# Allegro board LAY-27392_C.brd (continued)
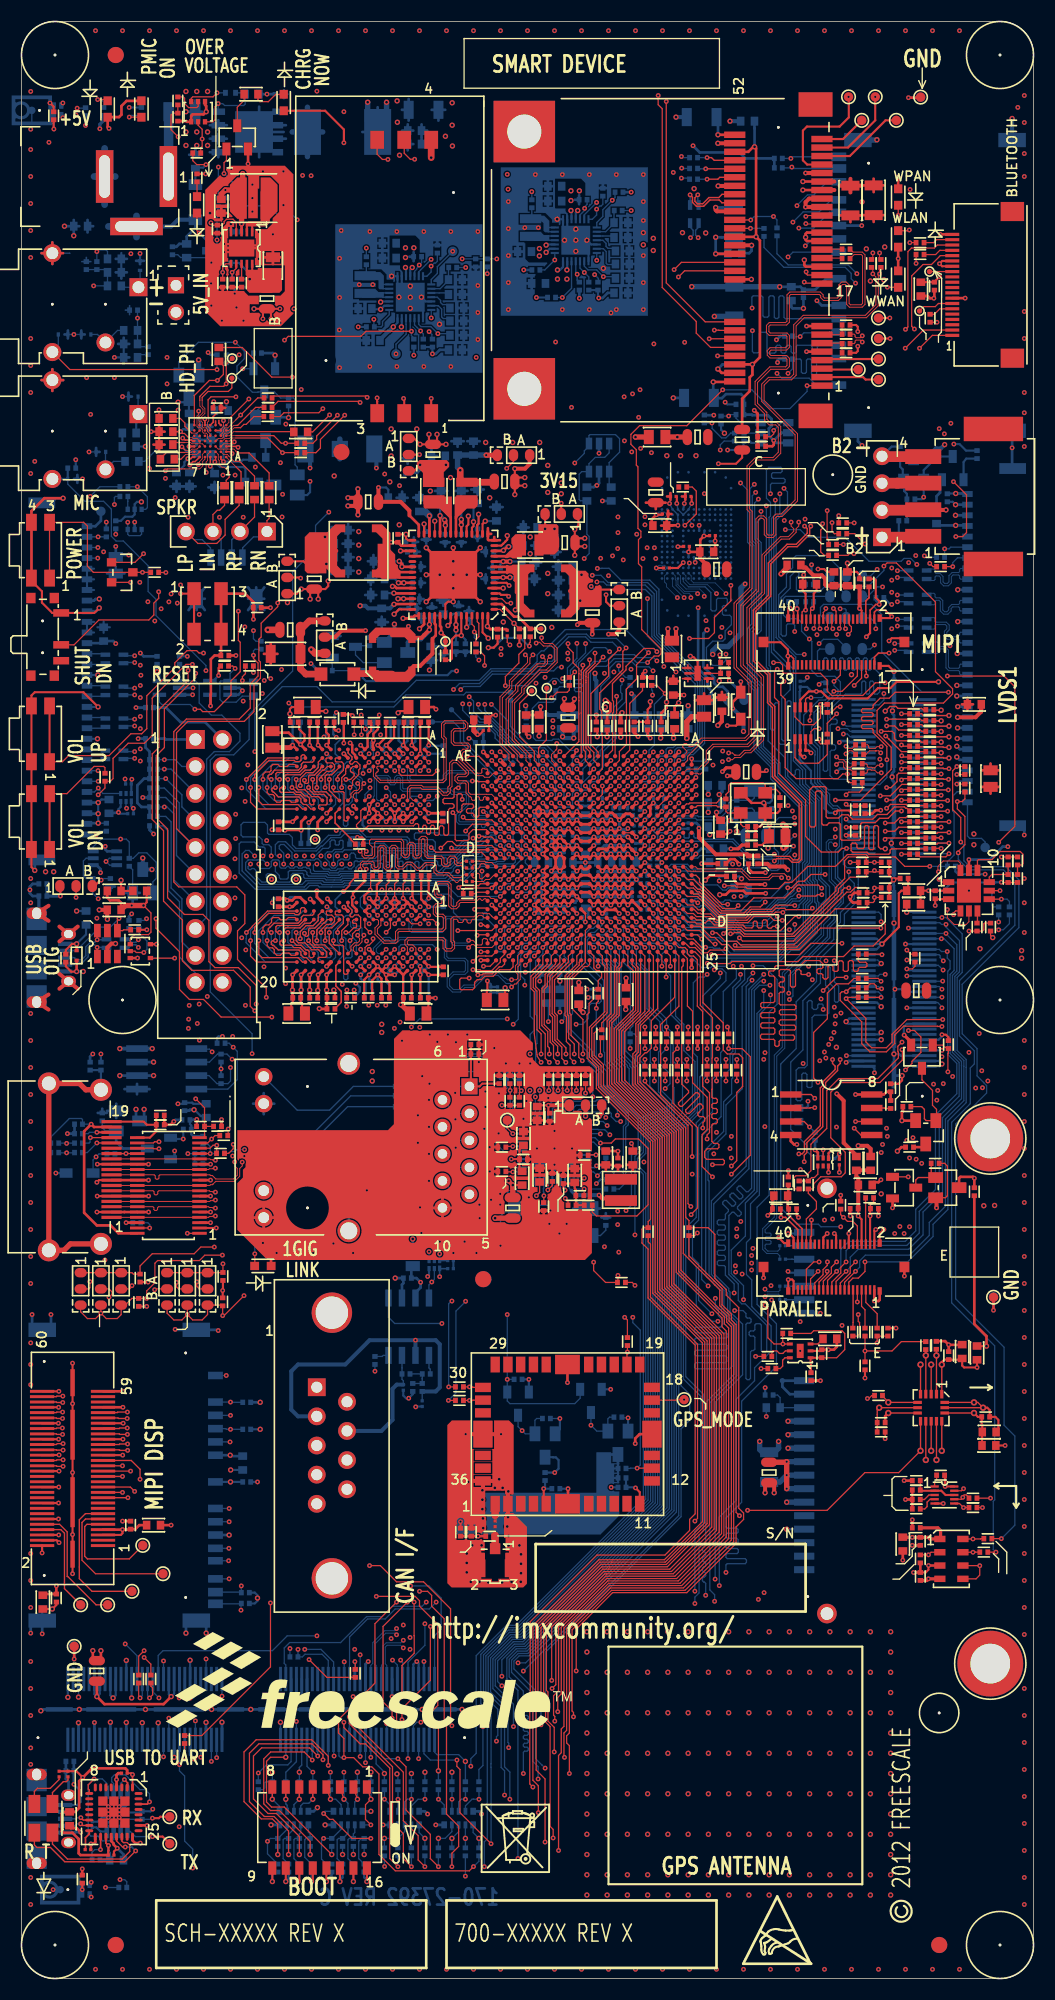
[diagram p0: board, top side]
## Routing (per net, layer and track width the routed paths; a pad name or vN(x,y) marks a point on that pad's centre or on a via; arc(x,y) is an arc through that point) (continued)
PMIC_VCORE: length 2.8
  TOP w0.203: v2(40.14,127.3) 40.14,127.32 40.4,127.57 U8.49
  BOTTOM w0.203: v2(40.14,127.3) 40.39,127.55 40.39,128.15 40.64,128.4 C592.1
PMIC_VCOREREF: length 2
  TOP w0.203: U8.52 v2(41.9,127.14)
  BOTTOM w0.203: C594.1 42.24,127.78 42.24,127.48 v2(41.9,127.14)
PMIC_VDDOTP: length 6.2
  TOP w0.254: R33.2 TP14.1 39.9,126.21 v2(39.5,126.62) 39.5,127.15 39.4,127.25 U8.47
  BOTTOM w0.254: v2(39.5,126.62) 39.75,126.36 39.75,125.39 R591.1 39.7,125.34 C601.1
PMIC_VHALF: length 2.5
  TOP w0.203: U8.29 36.38,135.32 36.2,135.51 v2(36.2,135.88) C24.2
  BOTTOM w0.203: v2(36.2,135.88) 36.2,135.18 C565.1
PMIC_VSNVS: length 42
  TOP w0.254: U8.43 37,128.22 36.89,128.1 36.55,128.1 36.43,127.98 v2(35.92,127.98)
  L6_INT_2 w0.254: v2(35.92,127.98) 36.41,128.47 43.54,128.47 43.56,128.46 44.34,128.46 44.86,127.94 44.86,127.33 45.21,126.97 46.79,126.97 48.5,128.69 51.47,128.69 51.69,128.92 52.98,128.92 53.26,128.63 59.39,128.63 60.1,129.34 63.32,129.34 v1(63.68,128.98)
  BOTTOM w0.203: v2(35.92,127.98) 36.42,127.98 36.43,127.98 C596.1
  BOTTOM w0.254: R598.1 64.95,121.13 64.57,121.51 64.57,122.37 63.68,123.26 v1(63.68,128.98)
POR_B: length 105.1
  TOP w0.119: U8.3 45.21,129.82 45.63,129.41 v1(46.06,129.41) ; v1(20.42,128.65) 20.42,125.91 20.6,125.73 20.6,122.96 19.74,122.1 19.74,120.78 18.16,119.2 17.07,119.2 16.84,119.43 v1(16.33,119.43)
  TOP w0.254: v1(61.87,107.41) U1.C11
  L3_INT_1 w0.114: v1(65.79,126.24) 66.49,126.24 68.87,123.85 68.87,123.71 68.87,123.71 68.87,123.03 71.07,120.83 71.07,120.02 72.19,118.89 72.19,114.33 72.28,114.24 72.28,111.75 72.36,111.67 72.36,111.66 72.65,111.37 72.65,109.96 v1(72.55,109.86)
  L6_INT_2 w0.114: v1(61.87,107.41) 62.53,107.41 62.66,107.54 64.16,107.54 64.55,107.15 65.11,107.15 66.42,108.46 68.83,108.46 69.6,109.22 71.5,109.22 72.14,109.86 v1(72.55,109.86) ; v1(65.79,126.24) 65.28,126.75 65.28,129.51 64.78,130.01 64.78,130.28 64.37,130.69 60.53,130.69 60.21,130.37 58.75,130.37 57.57,129.18 53.62,129.18 52.74,130.06 50.66,130.06 50.14,129.54 47.19,129.54 47.04,129.7 46.35,129.7 v1(46.06,129.41) 45.64,129.41 44.45,130.6 44.45,131.5 43.45,132.49 37.32,132.49 36.61,131.78 32.26,131.78 32.02,131.55 30.58,131.55 29.91,132.21 25.91,132.21 23.98,130.28 23.98,130.27 23.6,129.89 21.66,129.89 v1(20.42,128.65)
  BOTTOM w0.119: U513.4 12.99,120.1 13.22,119.87 15.89,119.87 v1(16.33,119.43)
PWR_BTN_SNS: length 150.6
  TOP w0.119: v1(64.93,96.35) 73.24,96.35 74.3,97.41 v1(77.21,97.41) ; D4.1 10.69,133.25 v1(11.51,134.06)
  TOP w0.178: v1(57.07,100.21) U1.J19
  L6_INT_2 w0.114: v1(11.51,134.06) 12.42,133.15 24.3,133.15 27.71,136.56 34.12,136.56 36.73,139.17 42.62,139.17 43.26,139.8 44.96,139.8 46.34,138.42 50.96,138.42 51.02,138.48 51.79,138.48 53.34,136.93 56.79,136.93 57.79,137.93 59.4,137.93 59.58,138.11 59.9,138.11 60.09,137.92 65.91,137.92 67.51,136.32 v1(71.88,136.32) ; v1(77.21,97.41) 78.61,97.41 80.26,99.06 80.26,99.95 80.9,100.58 80.9,105.03 80.14,105.79 80.14,111.51 78.99,112.65 78.99,120.52 80.43,121.96 80.43,122.23 81.93,123.74 82.77,123.74 83.53,124.5 83.53,129.24 84.25,129.96 v1(84.25,133.05) ; v1(57.07,100.21) 57.48,100.62 58.83,100.62 59.05,100.85 59.05,101.15 59.31,101.4 60.43,101.4 60.65,101.17 60.65,100.85 60.91,100.6 61.23,100.6 61.48,100.35 61.48,100.05 61.73,99.8 62.15,99.8 62.32,99.63 62.74,99.21 62.74,96.77 63.37,96.14 64.72,96.14 v1(64.93,96.35)
  BOTTOM w0.119: v1(71.88,136.32) 73.28,136.32 73.99,135.61 77.5,135.61 79.76,133.35 82.78,133.35 83.04,133.61 83.69,133.61 v1(84.25,133.05)
PWR_LED: length 2.2
  TOP w0.119: D1.A 8.01,176.78 v1(7.19,176.78)
  BOTTOM w0.119: R501.2 7.75,176.56 7.52,176.78 v1(7.19,176.78)
PWRON: length 74.7
  TOP w0.254: v1(17.81,119.74) 17.81,120.78 17.83,120.8 17.83,124.13 18.19,124.49 C597.1 18.8,124.5 SW2.4 SW2.3 21.06,130.3 21.84,129.51 21.84,129 ; 21.84,129 v1(21.84,127.89) ; 21.84,129 R304.2 ; R30.1 45.62,126.96 R31.2 44.53,126.96 44.53,126.96 44.12,126.96 v2(43.85,127.23) 43.9,127.27 U8.56
  L3_INT_1 w0.114: v1(52.07,142.6) 50.75,141.27 50.06,141.27 43.88,135.09 43.88,127.7 43.85,127.67 v2(43.85,127.23)
  L6_INT_2 w0.254: v2(43.85,127.23) 42.51,125.88 41.2,125.88 41.02,126.06 32.21,126.06 30.78,127.48 29.46,127.48 28.5,128.45 26.29,128.45 25.73,127.89 v1(21.84,127.89)
  BOTTOM w0.119: R571.1 55.31,140.52 U509.1 55.31,142.63 56.29,143.61 56.29,144.88 55.91,145.26 53.5,145.26 53.41,145.17 U509.4 53.41,144.17 52.97,143.73 52.97,143.49 v1(52.07,142.6)
  BOTTOM w0.254: v1(17.81,119.74) 17.81,120.73 U507.4
RAW_3V3: length 1.5
  BOTTOM w0.203: Q509.3 23.77,140.57 23.57,140.77 22.42,140.77 L510.1
RAW_4V2: length 1.6
  BOTTOM w0.203: Q506.3 22.99,143.14 L508.1
RGMII_INT: length 39.1
  TOP w0.119: R163.2 51.44,73.15 v1(51.18,73.41) ; v1(48.27,97.81) 48.67,98.21 U1.W22
  L3_INT_1 w0.114: v1(51.18,73.41) 50.67,72.9 49.4,72.9 48.89,72.39 43.94,72.39 43.56,72.77 43.56,78.38 44.15,78.97 44.15,83.9 43.59,84.45 43.59,89.05 47.88,93.34 47.88,94.87 48.67,95.66 48.67,97.41 v1(48.27,97.81)
  BOTTOM w0.127: U516.5 50.75,75.05 50.75,73.84 v1(51.18,73.41)
RGMII_LED_10_100: length 19.6
  BOTTOM w0.119: 48.26,83.06 v1(48.37,82.95) U516.26
  BOTTOM w0.127: R640.1 36.53,83.95 36.78,84.2 36.78,85.72 38.05,86.99 45.97,86.99 46.35,86.61 46.91,86.61 47.37,86.16 47.37,84.71 47.62,84.46 C741.1 48.26,84.21 48.26,83.06
RGMII_LED_1000: length 22.3
  TOP w0.119: 46.86,83.36 v1(47.04,83.54) 46.86,83.72
  TOP w0.127: 46.86,83.36 R148.2 ; R141.1 46.86,83.72
  BOTTOM w0.119: v1(47.04,83.54) 46.86,83.72
  BOTTOM w0.127: U516.24 46.44,80.3 46.25,80.5 46.25,82.53 46.86,83.15 46.86,83.41 46.99,83.54 v1(47.04,83.54) ; 46.86,83.72 C740.1 46.86,84.58 46.35,84.58 46.23,84.71 46.23,86.36 45.85,86.74 38.44,86.74 37.19,85.48 37.19,83.67 36.58,83.06 R641.1
RGMII_LED_ACT: length 18.9
  TOP w0.127: R140.1 45.99,84.19 v1(45.99,83.57) 45.99,82.94 R147.2
  BOTTOM w0.119: v1(45.99,83.57) 45.63,83.93 C739.1
  BOTTOM w0.127: R642.1 36.4,82.04 37.57,83.21 37.57,83.95 38.96,85.34 44.32,85.34 45.03,84.63 C739.1 ; v1(45.99,83.57) 45.99,80.29 46.37,79.9 U516.23
RGMII_MDC: length 40.5
  TOP w0.119: U1.V20 v1(49.07,99.41)
  L6_INT_2 w0.114: v1(56.9,72.26) 55.94,73.22 55.94,74.36 54.35,75.95 53.6,75.95 52.96,75.31 v1(52.96,75.31)
  BOTTOM w0.119: v1(49.07,99.41) 49.46,99.02 51.61,99.02 51.86,98.77 51.86,90.79 51.62,90.55 51.62,89.37 53.75,87.23 53.75,86.23 54.79,85.2 54.79,84.13 55.09,83.83 58.04,80.88 58.04,78.11 57.4,77.47 57.4,72.77 v1(56.9,72.26)
  BOTTOM w0.127: v1(52.96,75.31) 52.72,75.07 U516.1
RGMII_MDIO: length 33.4
  TOP w0.178: U1.V23 v1(49.07,97.01)
  BOTTOM w0.119: v1(49.07,97.01) 49.07,96.44 48.39,95.76 48.39,90.73 48.51,90.6 48.51,87.99 48.39,87.86 48.39,85.98 48.64,85.72 53.59,85.72 54.2,85.12 54.2,84.09 56.89,81.41 56.89,80.44 56.64,80.19 56.64,75.69 56.13,75.18 R657.2 55.75,75.81 55.61,75.95 54.61,75.95 v1(54.2,75.54) 53.84,75.9 U516.48
RGMII_NRST: length 29.2
  TOP w0.178: U1.U21 v1(49.87,98.61)
  BOTTOM w0.119: v1(49.87,98.61) 50.12,98.61 50.51,98.22 50.81,98.22 51.08,97.95 51.08,96.19 51.54,95.73 51.54,90.78 51.36,90.6 51.36,89.1 53.35,87.11 53.35,86.32 54.46,85.22 54.46,84.15 57.11,81.5 57.11,80.35 56.86,80.1 56.86,74.9 56.26,74.3 R659.1
RGMII_RXCLK: length 43.7
  TOP w0.119: U1.B25 62.27,95.29 62.14,95.16 62.14,84.17 62.78,83.53 62.78,83.36 61.83,82.41 61.83,82.24 62,82.07 62.17,82.07 63.45,83.36 63.63,83.36 63.79,83.2 63.79,83.02 62.5,81.73 62.5,81.56 62.67,81.39 62.84,81.39 63.75,82.3 63.93,82.3 64.13,82.09 64.13,81.91 63.65,81.43 63.65,81.25 63.8,81.1 64.17,81.1 64.3,80.98 64.3,80.7 64.14,80.54 64.14,80.05 v1(64.11,80.03)
  L6_INT_2 w0.114: v1(53.76,82.97) 53.35,82.97 53.19,82.81 53.19,82.38 53.38,82.19 53.7,82.19 54.03,81.86 54.7,81.86 54.82,81.98 54.82,82.14 54.93,82.26 55.16,82.26 55.27,82.14 55.27,81.98 55.39,81.86 55.62,81.86 55.73,81.98 55.73,82.14 55.84,82.26 56.07,82.26 56.19,82.14 56.19,81.98 56.3,81.86 56.8,81.86 58.56,80.1 59.43,80.1 59.87,79.65 60.25,79.65 60.4,79.81 60.4,80.04 60.5,80.14 60.76,80.14 60.88,80.01 60.88,79.76 60.99,79.65 61.19,79.65 61.3,79.77 61.3,80.19 61.41,80.3 61.64,80.3 61.76,80.19 61.76,79.77 61.87,79.65 62.1,79.65 62.21,79.77 62.21,80.14 62.34,80.26 62.54,80.26 62.67,80.14 62.67,79.77 62.79,79.65 63.01,79.65 63.13,79.77 63.13,79.91 63.25,80.03 v1(64.11,80.03)
  BOTTOM w0.119: v1(53.76,82.97) 53.76,84.83 53.64,84.96 R634.1
RGMII_RXD0: length 49
  TOP w0.119: U1.C24 61.87,96.21 61.87,91.49 60.15,89.77 60.15,83.17 63.12,80.2 v1(63.12,77.34)
  TOP w0.127: R144.1 v1(51.36,83.57)
  L6_INT_2 w0.114: v1(51.36,83.57) 51.38,83.54 51.68,83.54 51.79,83.43 51.79,82.58 51.66,82.45 51.31,82.45 51.16,82.6 51.16,82.98 51.08,83.06 50.85,83.06 50.77,82.98 50.77,81.97 53.09,79.65 53.21,79.65 53.32,79.76 53.32,79.91 51.99,81.24 51.99,81.44 52.12,81.57 53.26,81.57 53.52,81.31 53.52,80.39 54.05,79.86 54.64,79.86 54.73,79.78 55.53,79.78 56.03,79.28 56.03,79.04 57.19,77.89 58.92,77.89 58.93,77.88 58.93,77.87 59.46,77.34 v1(63.12,77.34)
  BOTTOM w0.119: R636.2 51.36,84.13 v1(51.36,83.57) 51.05,83.57 50.54,83.06 50.54,81.91 50.37,81.73 U516.31
RGMII_RXD1: length 49.3
  TOP w0.119: v1(66.8,76.45) 67.31,76.96 67.31,83.39 67.87,83.95 67.87,86.64 67.51,86.99 66.42,86.99 66.04,87.38 66.04,89.92 64.14,91.82 64.14,96.27 63.39,97.01 62.88,97.01 62.48,97.41 U1.B23
  TOP w0.127: R143.1 v1(50.5,83.57)
  L6_INT_2 w0.114: v1(66.8,76.45) 66.22,76.45 65.94,76.17 64.57,76.17 64.41,76.33 56.13,76.33 53.24,79.22 52.96,79.22 50.5,81.69 v1(50.5,83.57)
  BOTTOM w0.119: U516.30 49.97,81.84 50.29,82.17 50.29,83.36 v1(50.5,83.57) 50.55,83.62 R638.2
RGMII_RXD2: length 48.4
  TOP w0.119: v1(65.02,75.44) 64.06,76.4 64.06,79.43 64.52,79.89 64.52,82.92 63.15,84.29 63.15,91.02 62.67,91.51 62.67,95.88 62.67,95.98 62.27,96.38 U1.B24
  TOP w0.127: R142.1 v1(49.63,83.57)
  L6_INT_2 w0.114: v1(65.02,75.44) 65.02,74.3 64.9,74.17 63.68,74.17 63.55,74.3 63.55,75.81 63.28,76.08 55.72,76.08 54.45,77.35 54.45,77.67 54.23,77.89 53.73,77.89 49.98,81.64 49.98,83.22 v1(49.63,83.57)
  BOTTOM w0.127: v1(49.63,83.57) 49.17,83.1 U516.28
RGMII_RXD3: length 49
  TOP w0.178: U1.D23 v1(61.07,97.01)
  L3_INT_1 w0.114: v1(61.07,97.01) 61.65,96.43 61.65,94.04 63.17,92.51 64.12,92.51 66.82,89.81 66.82,88.14 67.92,87.04 67.92,84.23 64.68,80.99 64.68,79.84 64.12,79.28 64.12,77.88 63.87,77.63 63.87,76.45 v1(63.12,75.69)
  L6_INT_2 w0.114: v1(48.77,83.57) 48.77,82.22 54.08,76.91 54.24,76.91 55.46,75.69 v1(63.12,75.69)
  BOTTOM w0.119: v1(48.77,83.57) 48.77,84.44 R631.1
  BOTTOM w0.127: U516.27 48.77,82.77 48.77,82.77 v1(48.77,83.57)
RGMII_RXDV: length 43.8
  TOP w0.127: R145.1 v1(52.22,83.57)
  TOP w0.178: U1.D22 v1(61.07,97.81)
  L3_INT_1 w0.114: v1(65.41,79.63) 65.41,81.07 68.35,84.02 68.35,87.22 67.25,88.32 67.25,89.99 64.3,92.94 63.35,92.94 62.08,94.22 62.08,97.02 61.29,97.81 v1(61.07,97.81)
  L6_INT_2 w0.114: v1(65.41,79.63) 65.23,79.63 64.99,79.39 64.15,79.39 64.1,79.44 59.78,79.44 59.34,79.88 58.47,79.88 56.74,81.62 55.92,81.62 55.84,81.53 53.8,81.53 53.52,81.81 52.35,81.81 52.22,81.94 v1(52.22,83.57)
  BOTTOM w0.119: U516.32 50.77,82.77 51.17,83.18 51.83,83.18 v1(52.22,83.57)
RGMII_TRXN0: length 10.6
  BOTTOM w0.094: U516.12 47.97,74.43 48.05,74.34 48.05,74.25 47.96,74.16 45.87,74.16 44.53,75.49 42.93,75.49 42.6,75.16 41.38,75.16 40.7,74.49 40.6,74.38 40.3,74.38 J7.9
RGMII_TRXN1: length 10.6
  BOTTOM w0.094: U516.15 46.49,76.7 46.4,76.62 45.25,76.62 45.16,76.71 45.16,77.05 44.91,77.29 44.57,77.29 44.33,77.05 44.33,76.71 44.23,76.62 43.83,76.62 43.64,76.81 43.64,77.06 43.83,77.26 43.83,77.63 43.41,78.04 43.04,78.04 42.7,77.7 42.6,77.7 41.38,77.7 40.56,76.89 40.34,76.89 J7.8
RGMII_TRXN2: length 10.6
  BOTTOM w0.094: J7.7 39.74,80.08 40.34,79.48 40.61,79.48 41.38,80.24 42.78,80.24 43.29,80.75 43.78,80.75 44.4,80.13 44.4,79.71 44.03,79.34 44.03,79.21 45.41,77.82 46.4,77.82 46.49,77.9 U516.18
RGMII_TRXN3: length 10.6
  BOTTOM w0.094: U516.21 46.49,79.1 46.4,79.02 46.15,79.02 45.63,79.54 45.63,81.03 43.88,82.78 43.1,82.78 41.38,82.78 40.56,81.97 40.34,81.97 J7.6
RGMII_TRXP0: length 10.6
  BOTTOM w0.094: J7.5 41.76,73.79 41.5,74.04 41.33,74.04 41.12,74.24 41.12,74.58 41.47,74.93 42.69,74.93 43.02,75.26 44.44,75.26 45.77,73.93 48.05,73.93 48.28,74.16 48.28,74.34 48.37,74.43 U516.11
RGMII_TRXP1: length 10.6
  BOTTOM w0.094: J7.4 41.12,76.33 40.94,76.5 40.94,76.94 41.47,77.47 42.51,77.47 42.51,77.47 42.79,77.47 43.14,77.82 43.32,77.82 43.6,77.53 43.6,77.35 43.41,77.16 43.41,76.71 43.54,76.58 43.73,76.39 44.33,76.39 44.55,76.62 44.55,76.95 44.66,77.06 44.82,77.06 44.93,76.95 44.93,76.62 45.16,76.39 46.4,76.39 46.49,76.3 U516.14
RGMII_TRXP2: length 10.6
  BOTTOM w0.094: J7.3 41.22,78.87 40.94,79.15 40.94,79.48 41.47,80.01 42.88,80.01 43.38,80.52 43.69,80.52 44.17,80.04 44.17,79.81 43.8,79.44 43.8,79.11 45.32,77.59 46.4,77.59 46.49,77.5 U516.17
RGMII_TRXP3: length 10.6
  BOTTOM w0.094: J7.2 41.17,81.41 40.89,81.69 40.89,81.97 41.47,82.55 43.2,82.55 43.79,82.55 45.4,80.94 45.4,79.44 46.05,78.79 46.4,78.79 46.49,78.7 U516.20
RGMII_TXCLK: length 43.7
  TOP w0.178: U1.D21 v1(61.07,98.61)
  L3_INT_1 w0.114: v1(61.07,98.61) 61.45,99 62.03,99 62.73,98.3 62.73,96.01 63.45,95.28 63.45,94.41 63.89,93.97 64.72,93.97 68.19,90.5 68.19,88.72 69.33,87.58 69.33,83.68 66.94,81.29 66.94,79.82 66.81,79.69 66.81,79.67 66.8,79.66 v1(66.8,79.25)
  L6_INT_2 w0.114: v1(66.8,79.25) 66.04,78.49 64.04,78.49 63.8,78.73 59.49,78.73 59.36,78.85 58.38,78.85 57.77,79.46 57.57,79.46 v1(56.39,80.64)
  BOTTOM w0.119: v1(56.39,80.64) 55.96,80.64 55.51,81.1 55.51,81.4 54.74,82.17 52.2,82.17 51.97,81.94 U516.35
RGMII_TXD0: length 43.4
  TOP w0.178: v1(61.87,97.81) U1.C22
  L3_INT_1 w0.114: v1(61.87,97.81) 62.3,97.38 62.3,94.31 63.44,93.16 64.45,93.16 67.46,90.14 67.46,88.41 68.57,87.31 68.57,83.93 65.91,81.27 65.91,78.84 66.17,78.59 66.17,78.05 65.93,77.81 65.93,77.63 66.21,77.35 66.39,77.35 66.67,77.64 v1(66.67,78.11)
  L6_INT_2 w0.114: v1(54.99,81.03) 57.05,78.96 57.56,78.96 58.17,78.36 59.16,78.36 59.28,78.23 63.6,78.23 63.84,77.99 66.25,77.99 66.36,78.11 v1(66.67,78.11)
  BOTTOM w0.119: v1(54.99,81.03) 54.99,81.15 54.61,81.53 53.34,81.53 53.09,81.79 52.49,81.79 52.37,81.66 U516.36
RGMII_TXD1: length 43.5
  TOP w0.178: v1(59.47,99.41) U1.F20
  L3_INT_1 w0.114: v1(65.15,77.6) 65.57,77.6 65.7,77.73 65.7,78.93 65.58,79.04 65.42,79.04 65.3,78.93 65.3,78.73 65.19,78.61 65.02,78.61 64.91,78.73 64.91,80.87 68.14,84.11 68.14,87.13 67.03,88.23 67.03,89.9 64.21,92.73 63.26,92.73 61.86,94.13 61.86,96.76 61.23,97.4 60.93,97.4 60.68,97.65 60.68,97.95 60.43,98.2 60.13,98.2 59.88,98.45 59.88,99 v1(59.47,99.41)
  L6_INT_2 w0.114: v1(55.12,80.26) 55.39,80 55.62,80 56.72,78.9 56.72,78.69 57.3,78.11 59.11,78.11 59.35,77.86 63.62,77.86 63.87,77.6 v1(65.15,77.6)
  BOTTOM w0.119: v1(55.12,80.26) 54.74,80.64 54.19,80.64 53.85,80.3 U516.37
RGMII_TXD2: length 43.6
  TOP w0.178: U1.E21 v1(60.27,98.61)
  L3_INT_1 w0.114: v1(60.27,98.61) 60.52,98.61 60.91,98.22 62.05,98.22 62.51,97.76 62.51,94.4 63.44,93.47 64.52,93.47 67.69,90.3 67.69,88.52 68.83,87.38 68.83,83.89 66.74,81.79 66.45,81.5 66.45,80.02 66.32,79.89 66.32,79.88 66.31,79.87 66.31,79.04 66.6,78.75 66.69,78.75 67.18,78.26 67.18,77.6 v1(66.8,77.22)
  L6_INT_2 w0.114: v1(66.8,77.22) 66.67,77.09 64.14,77.09 63.88,76.83 59.66,76.83 58.83,77.67 57.09,77.67 v1(55.37,79.39)
  BOTTOM w0.119: U516.38 54.26,79.9 54.29,79.87 54.9,79.87 v1(55.37,79.39)
RGMII_TXD3: length 43.5
  TOP w0.119: v1(65.02,76.57) 66.01,76.57 66.14,76.7 66.14,76.96 66.01,77.09 64.47,77.09 64.29,77.27 64.29,77.83 64.54,78.08 65.51,78.08 65.63,78.21 65.63,78.46 65.51,78.59 65.15,78.59 64.97,78.77 64.97,80.32 65.09,80.44 65.36,80.44 65.48,80.56 65.48,80.8 65.36,80.92 65.09,80.92 64.97,81.03 64.97,81.27 65.09,81.39 65.36,81.39 65.48,81.51 65.48,81.75 65.36,81.87 65.09,81.87 64.97,81.99 64.97,82.23 65.09,82.35 65.36,82.35 65.48,82.47 65.48,82.71 65.36,82.83 65.09,82.83 64.97,82.94 64.97,83.66 64.99,83.68 64.99,86.62 65.02,86.66 65.02,90.42 63.88,91.57 63.88,96.1 63.37,96.61 U1.A24
  L6_INT_2 w0.114: v1(54.48,79.48) 54.69,79.48 55.59,78.57 55.59,77.55 56.58,76.56 57.07,76.56 57.18,76.66 57.18,77.22 57.33,77.37 57.53,77.37 57.66,77.24 57.66,76.68 57.78,76.56 58.04,76.56 58.14,76.66 58.14,77.14 58.29,77.29 58.72,77.29 59.44,76.58 64.6,76.58 64.61,76.57 v1(65.02,76.57)
  BOTTOM w0.119: U516.39 54.45,79.5 v1(54.48,79.48)
RGMII_TXEN: length 36.4
  TOP w0.119: v1(64.52,79) 64.52,79.01 64.52,79.38 64.75,79.6 64.75,83.34 64.1,83.98 64.1,91 63.6,91.5 63.6,95.86 63.25,96.21 62.9,96.21 62.67,96.44 62.67,96.78 62.43,97.01 61.87,97.01 U1.C23
  L6_INT_2 w0.114: v1(64.52,79) 64.52,79 64.23,79 64.01,79.22 59.7,79.22 59.25,79.67 58.38,79.67 56.82,81.23 v1(56.08,81.23)
  BOTTOM w0.119: U516.34 51.57,82.17 51.94,82.55 54.03,82.55 54.16,82.68 55.12,82.68 56.08,81.72 v1(56.08,81.23)
RJ45_LED_10_100: length 14.6
  BOTTOM w0.127: R640.2 31.24,83.95 29.01,81.71 25.96,81.71 J7.11
RJ45_LED_ACT: length 15.6
  BOTTOM w0.127: J7.13 30.71,82.04 R642.2
RTC_XTALI: length 12.2
  TOP w0.178: v1(61.07,109.01) U1.D9
  BOTTOM w0.119: C624.1 69.23,112.01 QZ500.1 ; R610.1 66.8,110.86 66.55,110.61 66.55,109.98 65.88,109.31 63.71,109.31 63.63,109.4 61.46,109.4 v1(61.07,109.01)
  BOTTOM w0.127: QZ500.1 68.96,111.08 68.75,110.86 R610.1
RTC_XTALO: length 10.7
  TOP w0.178: v1(61.87,109.01) U1.C9
  BOTTOM w0.119: QZ500.2 69.98,109.24 70.09,109.35 C639.1 ; R610.2 67.19,110.12 66.08,109.01 63.58,109.01 63.41,109.18 62.04,109.18 v1(61.87,109.01)
  BOTTOM w0.127: QZ500.2 68.96,109.9 68.75,110.12 R610.2
RXD232: length 2.2
  TOP w0.152: U22.2 10.01,18.04 10.01,18.42 v1(9.7,18.73)
  BOTTOM w0.127: v1(9.7,18.73) 9.34,18.37 U519.3
RXLED: length 14.3
  TOP w0.127: D12.2 1.23,12.59 1.48,12.35 2.75,12.35 4.09,11 9.74,11 v1(10.76,12.02) ; U22.21 8.96,12.96 9.53,12.39 v1(9.79,12.39)
  BOTTOM w0.171: v1(10.76,12.02) 10.4,12.39 v1(9.79,12.39)
SATA_5V_CON: length 11.1
  TOP w0.508: v1(72.01,46.1) v1(72.01,47.37) v1(72.01,48.64) 71.96,48.59 SH25.2
  BOTTOM w0.508: C762.1 70.36,46.74 71.37,46.74 v1(72.01,47.37) J506.P8 ; J506.P9 v1(72.01,46.1) ; J506.P7 v1(72.01,48.64)
SATA_DEVSLP: length 73.6
  L6_INT_2 w0.114: v1(25.28,31.06) 25.66,31.45 34.8,31.45 35.81,30.43 37.01,30.43 38.23,31.65 66.45,31.65 70.33,35.53 70.33,36.6 66.52,40.41 65.18,40.41 62.86,42.72 62.86,45.67 v1(70.09,52.89)
  BOTTOM w0.119: R676.2 v1(25.28,31.06) ; SH505.1 v1(70.09,52.89)
SATA_DS: length 4
  BOTTOM w0.119: J506.P3 SH505.2 71.39,54.67 71.15,54.91 R666.2
SATA_RET: length 5
  BOTTOM w0.254: J506.P1 TP507.1 71.6,55.69 72.3,54.99 J506.P2
SATA_REXT: length 6.6
  TOP w0.178: v1(61.87,104.21) U1.C14
  BOTTOM w0.119: v1(61.87,104.21) 62.54,104.21 63.86,102.9 65.51,102.9 65.99,102.41 66.31,102.41 66.52,102.63 67.05,102.63 R619.1
SATA_RXN: length 59.7
  TOP w0.094: v1(72.17,103.55) 71.97,103.75 71.97,103.76 71.88,103.86 71.77,103.96 70.61,103.96 70.26,103.61 68.58,103.61 67.76,104.42 67.35,104.42 67.34,104.43 65.26,104.43 65.25,104.42 63.63,104.42 63.44,104.61 U1.A14
  L3_INT_1 w0.097: v1(69.97,64.87) 69.73,64.63 69.26,64.63 69.16,64.73 69.16,65.08 69.26,65.18 69.43,65.18 69.54,65.29 69.54,65.45 69.45,65.53 69.26,65.53 69.16,65.63 69.16,65.92 70.33,67.09 70.33,70.77 71.04,71.48 71.04,72.62 70.81,72.85 70.4,72.85 70.31,72.95 70.31,73.1 70.4,73.2 70.81,73.2 71.04,73.43 71.04,73.78 70.81,74.01 70.4,74.01 70.31,74.1 70.31,74.26 70.4,74.36 70.81,74.36 71.04,74.59 71.04,74.94 70.81,75.17 70.4,75.17 70.31,75.26 70.31,75.42 70.4,75.52 70.81,75.52 71.04,75.75 71.04,79.28 72.24,80.48 72.24,82.23 72.37,82.36 72.37,83.86 72.37,84.18 73.18,84.99 73.18,88.95 71.75,90.37 71.75,95.12 71.22,95.66 71.22,95.79 71.33,95.91 71.33,96.23 71.09,96.48 70.76,96.48 70.65,96.36 70.51,96.36 70.08,96.8 70.08,99.31 70.38,99.62 70.38,100.4 71.25,101.27 71.25,102.36 71.92,103.04 71.92,103.04 71.98,103.11 71.98,103.36 v1(72.17,103.55)
  BOTTOM w0.094: C756.1 71.37,65.14 71.37,64.77 71.23,64.63 70.21,64.63 v1(69.97,64.87)
SATA_RXN_CON: length 1.8
  BOTTOM w0.127: J506.S5 73.65,65.15 C756.2
SATA_RXP: length 59.8
  TOP w0.094: U1.B14 62.68,104.2 63.25,104.2 63.25,104.2 63.42,104.2 63.43,104.19 65.35,104.19 65.35,104.2 67.25,104.2 67.25,104.19 67.67,104.19 68.48,103.38 70.35,103.38 70.69,103.72 71.39,103.72 71.41,103.69 v1(71.53,103.58)
  L3_INT_1 w0.097: v1(69.97,64.16) 69.73,64.4 69.16,64.4 68.93,64.63 68.93,66.01 70.1,67.18 70.1,70.87 70.81,71.57 70.81,72.52 70.72,72.62 70.31,72.62 70.08,72.85 70.08,73.2 70.31,73.43 70.72,73.43 70.81,73.52 70.81,73.68 70.72,73.78 70.31,73.78 70.08,74.01 70.08,74.36 70.31,74.59 70.72,74.59 70.81,74.68 70.81,74.84 70.72,74.94 70.31,74.94 70.08,75.17 70.08,75.51 70.31,75.74 70.72,75.74 70.81,75.84 70.81,79.38 72.01,80.57 72.01,82.32 72.14,82.45 72.14,83.77 72.14,84.28 72.95,85.09 72.95,88.85 71.53,90.27 71.53,95.03 70.99,95.56 70.99,95.89 71.1,96 71.1,96.14 70.99,96.25 70.86,96.25 70.74,96.14 70.42,96.14 69.85,96.7 69.85,99.41 70.15,99.71 70.15,100.5 71.02,101.37 71.02,102.46 71.75,103.2 71.75,103.35 v1(71.53,103.58)
  BOTTOM w0.094: v1(69.97,64.16) 70.21,64.4 71.23,64.4 71.36,64.27 C757.1
SATA_RXP_CON: length 1.8
  BOTTOM w0.127: C757.2 73.65,63.88 J506.S6
SATA_TXN: length 59.9
  TOP w0.094: v1(62.67,106.61) U1.B12
  L6_INT_2 w0.097: v1(62.67,106.61) 62.93,106.61 63.31,106.99 63.77,106.99 64.23,106.53 65.51,106.53 65.79,106.81 66.42,106.81 66.77,107.16 75.84,107.16 76.08,107.41 v1(76.58,107.41)
  BOTTOM w0.094: v1(76.58,107.41) 76.34,107.16 75.98,107.16 75.73,106.91 75.73,106.19 76,105.92 76,103.3 76.4,102.9 76.53,102.77 76.53,101.55 75.88,100.9 75.88,99.88 75.25,99.26 75.25,98.27 71.6,94.61 71.6,87.64 70.84,86.88 70.84,71.65 69.75,70.56 69.75,68.61 70.14,68.22 71.15,68.22 71.36,68.01 C752.1
SATA_TXN_CON: length 1.8
  BOTTOM w0.127: J506.S3 72.51,67.69 72.51,67.69 C752.2
SATA_TXP: length 59.9
  TOP w0.094: v1(63.47,106.61) U1.A12
  L6_INT_2 w0.097: v1(63.47,106.61) 63.82,106.61 64.14,106.3 65.6,106.3 65.88,106.58 66.51,106.58 66.87,106.93 75.84,106.93 76.08,106.69 v1(76.58,106.69)
  BOTTOM w0.094: C751.1 71.36,68.64 71.17,68.45 70.23,68.45 69.98,68.71 69.98,69.01 70.07,69.11 70.44,69.11 70.54,69.2 70.54,69.36 70.44,69.46 70.07,69.46 69.98,69.55 69.98,69.71 70.07,69.8 70.44,69.8 70.54,69.9 70.54,70.06 70.44,70.15 70.07,70.15 69.98,70.25 69.98,70.47 71.07,71.56 71.07,86.79 71.83,87.55 71.83,94.52 75.48,98.17 75.48,99.16 76.11,99.79 76.11,100.81 76.75,101.45 76.75,102.87 76.56,103.06 76.23,103.39 76.23,106.02 75.96,106.29 75.96,106.82 76.07,106.93 76.21,106.93 76.45,106.69 v1(76.58,106.69)
SATA_TXP_CON: length 1.8
  BOTTOM w0.127: C751.2 73.65,68.96 J506.S2
SATA_VP: length 3.7
  TOP w0.254: R96.2 v1(64.01,104.9) ; U1.G13 v1(58.67,105.81)
  BOTTOM w0.254: v1(58.67,105.81) 59.19,105.28 C678.1
  BOTTOM w0.305: v1(64.01,104.9) 64.14,105.03 C681.1
SATA_VPH: length 4
  TOP w0.178: v1(58.67,106.61) U1.G12
  TOP w0.305: v1(66.77,106.3) 67.44,106.3 67.79,106.65 R87.2
  BOTTOM w0.254: C668.1 58.46,106.82 v1(58.67,106.61)
  BOTTOM w0.305: C673.1 v1(66.77,106.3)
SD2_3V3: length 60.8
  TOP w0.508: R17.2 v2(61.72,145.03) SH3.2
  L3_INT_1 w0.508: v2(71.35,159.17) 71.04,158.87 v1(71.04,154.18) ; v2(61.72,145.03) 63.08,146.39 v2(63.08,159.18) 63.08,160.92 61.58,162.42 61.58,167.7 63.2,169.32 v1(63.2,172.44)
  BOTTOM w0.254: R544.1 71.4,154.53 v1(71.04,154.18) ; v1(63.2,172.44) 63.83,171.81 67.56,171.81 68.12,171.25 R502.1 R503.1 ; v2(71.35,159.17) C525.1 73.31,159.17 C524.1 74.7,158.9 75.73,159.93 J500.4
  BOTTOM w0.508: v2(71.35,159.17) 67.09,159.17 C769.1 63.08,159.18 v2(63.08,159.18)
SD2_CD_B: length 101.1
  TOP w0.178: v1(59.47,102.61) U1.F16
  L3_INT_1 w0.114: v1(69.34,139.19) 69.6,139.45 69.6,140.97 68.22,142.34 68.22,153.47 69.34,154.58 69.34,162.51 69.98,163.14 69.98,167.92 v1(72.49,170.43)
  BOTTOM w0.119: v1(69.34,139.19) 68.99,138.84 68.99,135.41 69.39,135.01 69.39,126.94 68.99,126.55 68.99,122.14 69.6,121.54 69.6,115.84 71.16,114.28 71.16,113.17 73.93,110.39 73.93,105.05 73.72,104.84 73.72,103.19 73.98,102.93 73.98,101.51 73.57,101.09 73.57,98.97 72.66,98.06 67.96,98.06 67.72,98.31 67.3,98.31 66.82,98.79 64.21,98.79 64.09,98.9 62.13,98.9 62.03,99 61.71,99 61.46,99.25 61.46,99.57 61.23,99.8 60.11,99.8 59.88,100.03 59.88,100.97 59.86,100.99 59.86,101.17 59.63,101.4 59.26,101.4 59.08,101.58 59.08,102.22 v1(59.47,102.61)
  BOTTOM w0.127: J500.14 72.62,170.3 v1(72.49,170.43) 72.42,170.36 R503.2
SD2_CLK: length 94
  TOP w0.178: U1.C21 v1(61.87,98.61)
  L3_INT_1 w0.114: v1(69.6,138.05) 69.6,138.81 69.85,139.06 69.85,141.22 68.53,142.54 68.53,151.05 68.68,151.21 68.83,151.21 69.29,151.66 69.29,152.07 68.91,152.45 68.91,153.64 69.65,154.38 69.65,162.08 70.76,163.2 70.76,165.07 70.89,165.2 71.15,165.2 71.27,165.07 71.27,162.84 v1(72.14,161.98)
  BOTTOM w0.119: v1(72.14,161.98) 72.59,162.43 J500.5 ; v1(61.87,98.61) 62.23,98.61 62.3,98.68 64,98.68 64.74,97.95 65.63,97.95 65.97,97.61 67.32,97.61 67.81,97.11 71.21,97.11 71.93,97.84 72.75,97.84 73.79,98.87 73.79,101 74.2,101.42 74.2,103.02 73.94,103.28 73.94,104.75 74.16,104.96 74.16,110.48 71.38,113.26 71.38,114.37 69.82,115.93 69.82,121.63 69.21,122.24 69.21,126.43 69.61,126.83 69.61,135.1 69.21,135.5 69.21,137.03 69.6,137.41 v1(69.6,138.05)
SD2_CMD: length 84.9
  TOP w0.178: v1(59.47,100.21) U1.F19
  L3_INT_1 w0.114: v1(73.28,154.48) 73.28,154.07 73.28,154.07 73.28,147.24 71.88,145.84 71.88,140.33 v1(71.75,140.21)
  BOTTOM w0.119: v1(71.75,140.21) 72.09,139.88 72.09,138.26 71.02,137.2 71.02,126.19 71.03,126.17 71.03,126.16 72.86,124.34 72.86,114.67 73.78,113.74 73.78,112.42 75.26,110.94 75.26,104.08 75.23,104.05 75.23,103.56 75.31,103.48 76.04,102.75 76.04,101.57 75.47,101.01 75.47,100.11 74.89,99.53 74.89,98.42 73.21,96.74 72.39,96.74 71.46,95.8 66.85,95.8 66.29,95.25 65.41,95.25 65.36,95.3 65.04,95.3 64.86,95.12 64,95.12 61.48,97.65 61.48,97.95 61.23,98.2 60.11,98.2 59.86,98.45 59.86,99.57 59.47,99.96 v1(59.47,100.21) ; R544.2 72.61,154.48 v1(73.28,154.48) 73.63,154.84 75.95,154.84 76.03,154.92 J500.2